# Altium PCB МПСУ.687254.22-01.PcbDoc (part 2 of 2)
Units mm, origin at the board's own origin, x right, y up, seen from the top; angles counter-clockwise.
Board outline 131 x 56 mm, 2 copper layers (Top Layer, Bottom Layer), stack 1.036 mm thick; 215 components, 148 nets, 684 pads, 230 vias.
Unrouted connection lines stored in the file: 4.
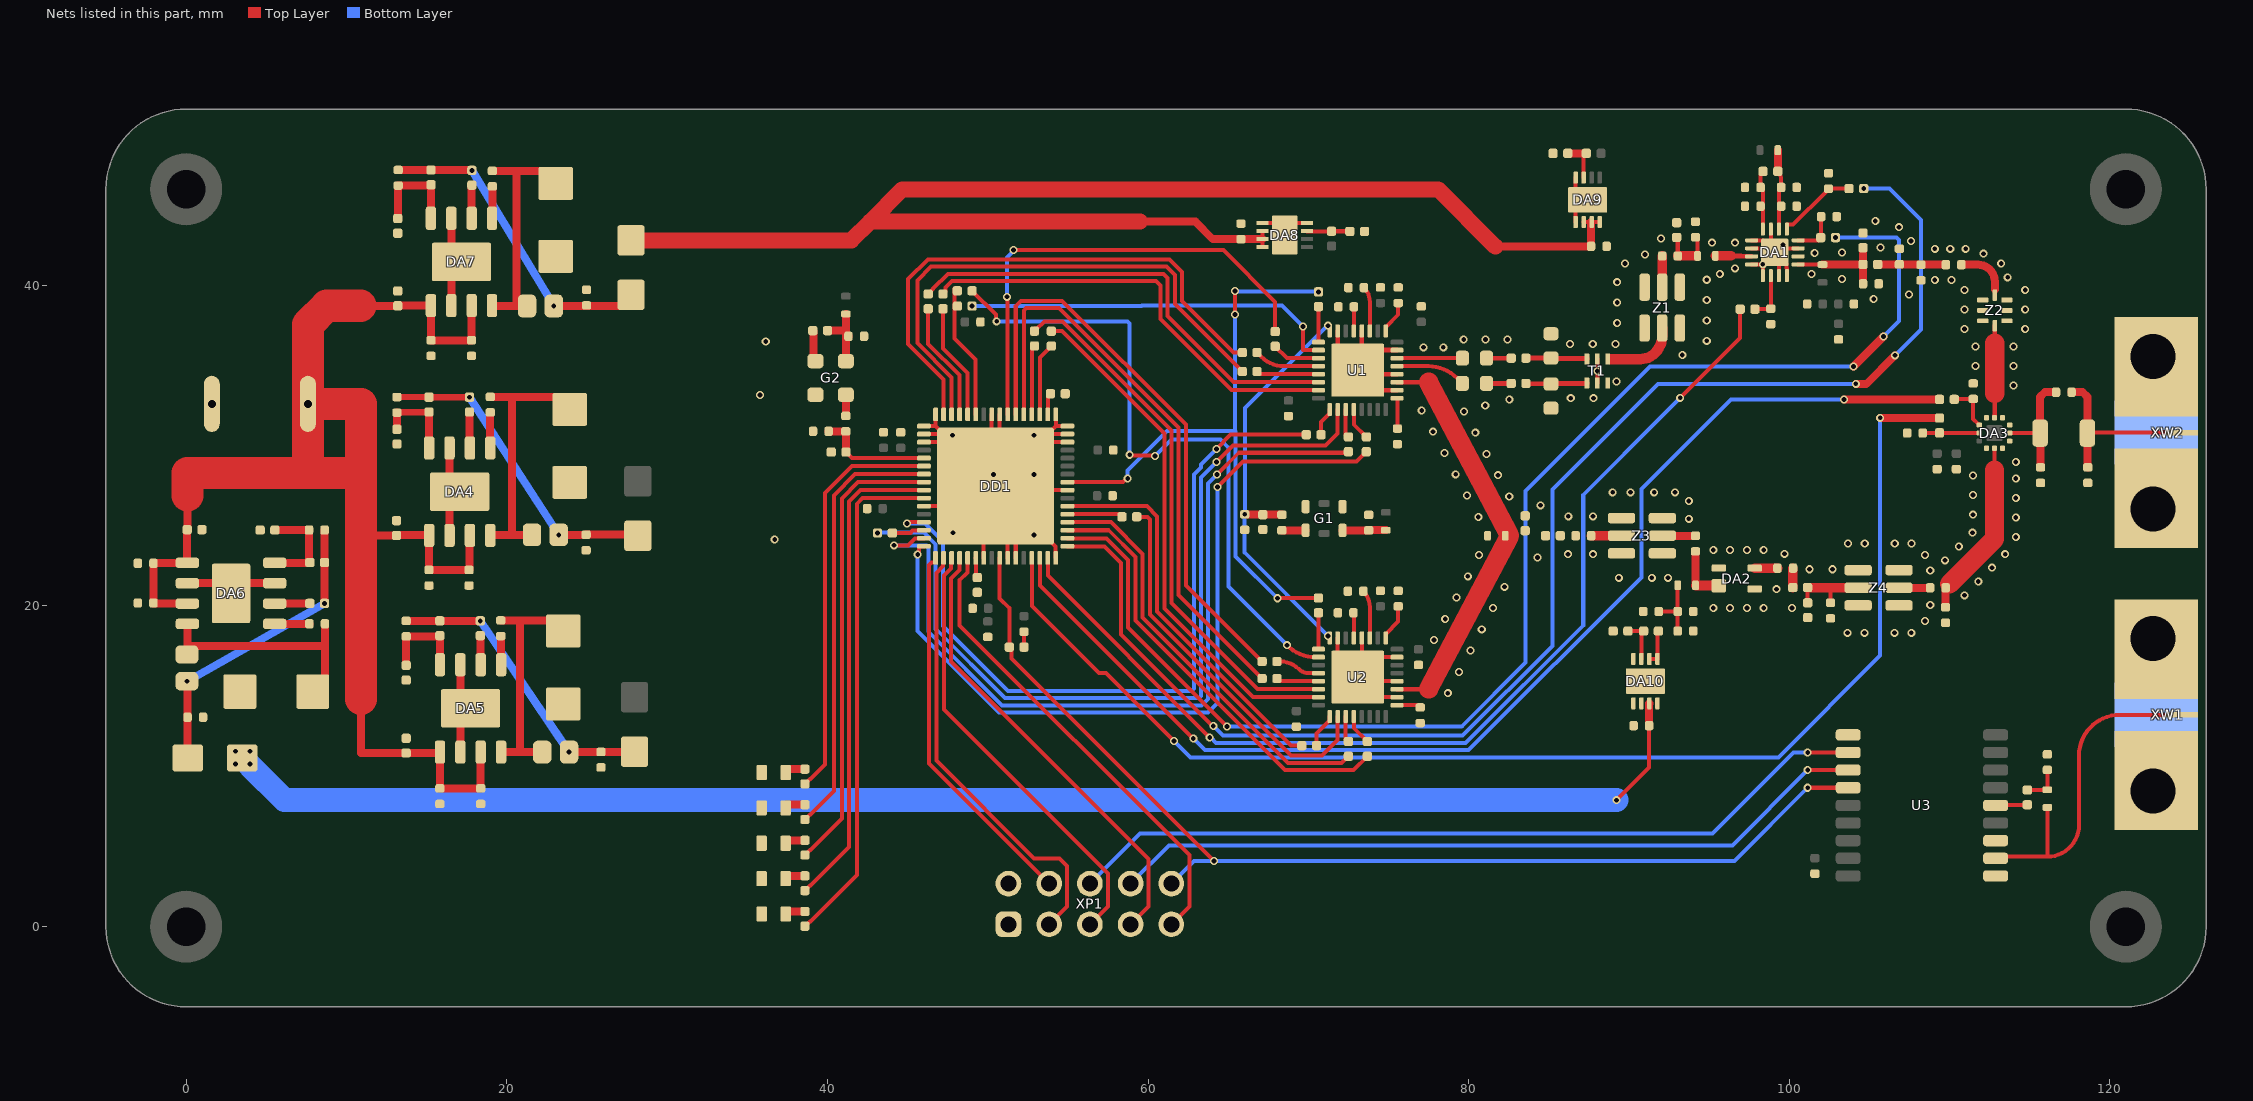
[diagram p2: the nets of this part, all layers, seen from the top]

## Via types
v1: diameter 0.5, hole 0.3, Top Layer to Bottom Layer, tented both sides, 212 vias
v2: diameter 0.6, hole 0.3, Top Layer to Bottom Layer, tented both sides, 18 vias

## Nets (pads, with @x,y where several pads share a name; then routed paths per layer and width w, separated by ;. In a path a pad name is that pad's centre, name@x,y a point inside that pad or via, vN(x,y) a via of type N, cw(c..) or ccw(c..) an arc to the next point about the centre after c; other vN are vias at no path point) (continued)
+4V: C88.1 C89.1 DA8.6 DA8.7 DA8.8 DA9.6 DA9.7 DA9.8 VD13.1 | length 91.1
  Top Layer w0.25: DA8.8@67.14,42.39 67.14,42.88 DA8.7@67.14,42.89 DA8.6@67.14,43.39 ; DA9.6@87.175,43.952 87.635,43.952 DA9.7@87.675,43.952 DA9.8@88.175,43.952
  Top Layer w0.5: 59.5,43.975 62.948,43.975 64.043,42.88 C88.1@65.775,42.88 ; C88.1@65.8,42.88 DA8.7@67.14,42.88 ; 81.675,42.412 87.635,42.412 C89.1@87.635,42.437 DA9.7@87.635,43.952
  Top Layer w1: VD13.1@27.75,42.812 41.5,42.812 42.663,43.975 ; 59.5,43.975 42.663,43.975 ; 81.675,42.412 78.105,45.982 44.67,45.982 42.663,43.975
+5.8V: C90.1 DA10.6 DA10.7 DA10.8 VD12.1 | length 93
  Top Layer w0.25: v1(89.225,7.887) 91.26,9.922 C90.1@91.26,12.512
  Top Layer w0.5: C90.1@91.26,12.537 91.26,13.927 DA10.7@91.275,13.927
  Bottom Layer w1.5: v2@3.975,10.037 6.125,7.887 v1(89.225,7.887)
  other v2: 3.075,10.137 3.975,10.137 3.075,10.937 3.975,10.937
+5V_RFIN: C51.1 C53.1 C55.1 DA10.1 DA10.2 L6.1 R70.1 | length 6.3
  Top Layer w0.25: DA10.2@91.275,16.697 DA10.1@91.775,16.697 91.775,18.437 R70.1@91.835,18.437 ; C53.1@91.86,19.662 C51.1@93.04,19.662 ; C55.1@93.04,18.437 C51.1@93.04,19.662 ; L6.1@93.045,21.287 93.042,21.285 93.042,19.665 C51.1@93.04,19.662
BPF_IN_2: C50.1 Z3.5 | length 2.1
  Top Layer w0.25: Z3.5@92.085,24.384 Z3.5@92.088,24.381 ; C50.1@94.146,24.381 C50.1@94.15,24.377
  Top Layer w0.5: Z3.5@92.088,24.381 C50.1@94.146,24.381
CLK_HS: C48.2 C49.1 DD1.53 R36.1 | length 7.4
  Top Layer w0.25: R36.1@41.16,29.6 41.171,29.6 41.546,29.225 DD1.53@46.025,29.225
  Top Layer w0.5: C49.1@40.075,30.9 40.08,30.895 41.145,30.895 C48.2@41.15,30.89 41.155,30.885 41.155,29.605 R36.1@41.16,29.6
CLKO_A: R40.2 U1.10 | length 23.7
  Top Layer w0.25: v1(69.66,37.442) 69.66,35.959 U1.10@70.635,35.959
  Bottom Layer w0.25: v1(49.026,38.709) 59.587,38.709 59.633,38.756 68.346,38.756 v1(69.66,37.442)
CLKO_B: R41.2 U2.10 | length 41.9
  Top Layer w0.25: R41.2@49.026,39.659 49.03,39.659 50.512,38.178 50.512,37.807 v1(50.56,37.759) ; v1(58.86,29.434) 58.9,29.394 60.4,29.394 v1(60.441,29.353) ; v1(68.666,17.553) ccw(c70.462,19.349) 70.462,16.809 U2.10@70.635,16.809
  Bottom Layer w0.25: v1(50.56,37.759) 58.713,37.759 58.86,37.613 v1(58.86,29.434) ; v1(60.441,29.353) 61.46,30.371 64.51,30.371 65.01,29.872 65.01,21.209 v1(68.666,17.553)
G0: DD1.58 R25.1 | length 32
  Top Layer w0.25: R25.1@38.6,0.027 38.611,0.027 38.916,0.332 38.94,0.332 41.841,3.234 41.841,26.377 42.189,26.725 DD1.58@46.025,26.725
G1: DD1.57 R26.1 | length 30.4
  Top Layer w0.25: R26.1@38.6,2.246 38.611,2.246 38.916,2.551 38.94,2.551 41.35,4.961 41.35,26.522 42.052,27.225 DD1.57@46.025,27.225
G2: DD1.56 R27.1 | length 28.8
  Top Layer w0.25: R27.1@38.6,4.465 38.611,4.465 38.916,4.77 38.94,4.77 40.9,6.73 40.9,26.709 41.916,27.725 DD1.56@46.025,27.725
G3: DD1.55 R29.1 | length 27.1
  Top Layer w0.25: R29.1@38.6,6.684 38.611,6.684 38.916,6.989 38.94,6.989 40.4,8.449 40.4,26.887 41.738,28.225 DD1.55@46.025,28.225
G4: DD1.54 R30.1 | length 25.5
  Top Layer w0.25: R30.1@38.6,8.902 38.611,8.902 38.916,9.207 38.94,9.207 39.85,10.118 39.85,27.037 41.538,28.725 DD1.54@46.025,28.725
GND: C1.1 C2.1 C3.2 C4.2 C5.2 C6.1 C7.2 C8.1 C9.2 C10.2 C11.2 C12.2 C13.1 C14.1 C15.2 C17.2 C20.1 C21.2 C22.1 C23.1 C24.1 C26.2 C27.1 C28.1 C29.1 C30.1 C31.2 C32.2 C33.2 C34.2 C35.2 C36.2 C38.2 C39.2 C40.2 C41.2 C42.2 C43.2 C44.2 C45.2 C46.2 C47.2 C49.2 C51.2 C53.2 C55.2 C56.1 C58.2 C59.2 C60.1 C61.1 C62.1 C63.1 C64.2 C65.1 C67.1 C68.2 C69.2 C70.2 C71.2 C72.2 C73.2 C74.2 C75.2 C84.2 C85.2 C86.2 C87.2 C88.2 C89.2 C90.2 DA1.1 DA1.2 DA1.4 DA1.5 DA1.7 DA1.8 DA1.11 DA1.15 DA1.17 DA2.2 DA2.4 DA3.1 DA3.3 DA3.4 DA3.6 DA3.10 DA3.12 DA4.3 DA4.6 DA4.9 DA5.3 DA5.6 DA5.9 DA6.3 DA6.6 DA6.9 DA7.3 DA7.6 DA7.9 DA8.4 DA8.5 DA8.9 DA9.4 DA9.5 DA9.9 DA10.4 DA10.5 DA10.9 DD1.7 DD1.10 DD1.11 DD1.16 DD1.24 DD1.30 DD1.31 DD1.32 DD1.33 DD1.40 DD1.41 DD1.48 DD1.49 DD1.50 DD1.51 DD1.59 DD1.65 G1.1 G1.3 G2.2 L7.2 R1.2 R20.2 R22.2 R24.1 R28.1 R31.1 R36.2 R42.2 R45.2 R50.2 R51.2 R52.2 R53.2 R58.2 R59.2 R60.2 R61.2 R67.2 R69.2 R71.2 T1.2 T1.5 T1.6 U1.4 U1.7 U1.26 U1.28 U1.31 U1.33 U2.4 U2.7 U2.26 U2.28 U2.31 U2.33 U3.1 U3.10 U3.12 VD1.2 VD2.2 VD3.2 VD4.2 VD5.2 VD6.2 VD7.2 VD8.2 VD9.2 XP1.1 XP1.2 XP2.2 XW1.2 XW2.2 Z1.1 Z1.3 Z1.4 Z1.6 Z2.1 Z2.2 Z2.3 Z2.5 Z2.6 Z2.7 Z3.1 Z3.3 Z3.4 Z3.6 Z4.1 Z4.3 Z4.4 Z4.6 | length 133.3
  Top Layer w0.25: DD1.59@46.025,26.225 49.25,26.225 DD1.65@49.75,26.725 ; DD1.51@46.025,30.225 DD1.65@47.75,30.225 ; DD1.50@46.025,30.725 DD1.65@47.25,30.725 ; DD1.49@46.025,31.225 46.75,31.225 ; DD1.48@46.75,31.95 46.75,31.225 ; DD1.7@49.75,23 DD1.65@49.75,26.725 ; DD1.41@50.25,31.95 DD1.65@50.25,27.725 ; DD1.40@50.75,31.95 50.75,27.725 DD1.65@50.5,27.475 ; DD1.10@51.25,23 DD1.65@51.25,26.725 ; DD1.11@51.75,23 DD1.65@51.75,26.194 ; R24.1@52.265,17.433 C39.2@52.265,18.397 ; DD1.16@54.25,23 54.225,23.025 54.225,23.719 DD1.65@51.75,26.194 ; DD1.33@54.25,31.95 54.25,31.225 ; DD1.24@54.975,27.225 DD1.65@50.75,27.225 ; DD1.30@54.975,30.225 DD1.65@53.25,30.225 ; DD1.31@54.975,30.725 DD1.65@53.75,30.725 ; DD1.32@54.975,31.225 54.25,31.225 ; C88.2@65.8,43.89 C88.2@65.8,43.9 ; DA8.5@67.14,43.89 DA8.9@68.525,43.89 ; DA8.9@68.525,43.14 DA8.9@68.525,43.89 ; DA8.4@69.91,43.89 DA8.9@68.525,43.89 ; U2.7@71.835,18.009 71.835,15.559 U2.33@73.085,15.559 ; U2.4@73.335,18.009 U2.33@73.335,16.809 ; U2.26@75.535,14.309 73.085,14.309 U2.33@73.085,15.309 ; U2.28@75.535,15.309 U2.33@73.085,15.309 ; U2.31@75.535,16.809 U2.33@73.335,16.809 ; DA9.5@86.665,43.952 DA9.5@86.675,43.952 DA9.9@86.675,45.337 ; DA9.4@86.675,46.722 DA9.9@86.675,45.337 ; DA9.9@87.425,45.337 DA9.9@86.675,45.337 ; T1.5@88.028,33.912 T1.2@88.028,35.412 ; DA1.4@97.65,41.312 v1(98.35,41.312) ; DA1.2@97.65,42.312 DA1.17@98.85,42.312 ; DA1.1@97.65,42.812 98.102,42.812 98.127,42.787 98.375,42.787 DA1.17@98.85,42.312 ; DA1.5@98.35,40.612 v1(98.35,41.312) ; DA1.15@98.85,43.512 DA1.17@98.85,42.312 ; DA1.7@99.35,40.612 DA1.17@99.35,41.812 ; DA1.8@99.85,40.612 99.85,41.064 99.825,41.089 99.825,41.337 DA1.17@99.35,41.812 ; DA1.11@100.55,42.312 99.35,42.312 DA1.17@99.1,42.062 ; 46.75,31.225 DD1.65@47.25,30.725 ; DD1.65@47.25,30.725 DD1.65@47.75,30.225 ; DD1.65@47.75,30.225 DD1.65@50.25,27.725 ; DD1.65@49.75,26.725 DD1.65@50.5,27.475 ; DD1.65@50.25,27.725 DD1.65@50.5,27.475 ; DD1.65@50.5,27.475 DD1.65@50.75,27.225 ; DD1.65@50.5,27.475 DD1.65@53.25,30.225 ; DD1.65@50.75,27.225 DD1.65@51.25,26.725 ; DD1.65@51.25,26.725 51.75,26.225 DD1.65@51.75,26.194 ; DD1.65@53.25,30.225 DD1.65@53.75,30.725 ; DD1.65@53.75,30.725 54.25,31.225 ; U2.33@73.085,15.309 U2.33@73.085,15.559 ; U2.33@73.085,15.559 73.335,15.559 U2.33@73.335,16.809 ; U2.33@73.085,15.559 73.085,16.809 U2.33@73.335,16.809 ; v1(98.35,41.312) DA1.17@99.1,42.062 ; DA1.17@98.85,42.312 DA1.17@99.1,42.062 ; DA1.17@99.1,42.062 DA1.17@99.35,41.812
  Top Layer w0.3: U1.7@71.835,37.159 71.835,35.209 U1.33@73.085,33.959 ; U1.33@71.859,35.935 U1.33@73.085,34.709 ; U1.4@73.335,37.159 U1.33@73.335,35.959 ; U1.26@75.535,33.459 73.085,33.459 U1.33@73.085,34.459 ; U1.28@75.535,34.459 U1.33@73.085,34.459 ; U1.31@75.535,35.959 U1.33@73.335,35.959 ; U1.33@73.085,34.459 U1.33@73.085,34.709 ; U1.33@73.085,34.709 73.085,35.959 U1.33@73.335,35.959 ; U1.33@73.085,34.709 73.335,34.709 U1.33@73.335,35.959
  Top Layer w0.5: DA6.6@0.075,21.422 DA6.9@2.8,21.422 ; DA6.9@2.8,20.787 DA6.9@2.8,21.422 ; DA6.3@5.525,21.422 DA6.9@2.8,21.422 ; R58.2@13.125,30.102 R58.2@13.15,30.102 ; DA4.6@16.431,24.404 16.431,26.494 DA4.9@17.066,27.129 16.431,27.764 DA4.3@16.431,29.854 ; DA7.6@16.54,38.737 DA7.9@16.54,41.462 ; DA7.3@16.54,44.187 DA7.9@16.54,41.462 ; DA5.6@17.105,10.887 DA5.9@17.105,13.612 ; DA5.3@17.105,16.337 DA5.9@17.105,13.612 ; DA7.9@17.175,41.462 DA7.9@16.54,41.462 ; DA5.9@17.74,13.612 DA5.9@17.105,13.612
  other v1: 78.701,14.561 79.407,15.889 80.113,17.216 77.832,17.87 103.643,18.329 104.692,18.329 106.564,18.329 107.613,18.329 80.819,18.544 108.469,19.066 78.538,19.198 81.525,19.872 95.261,19.879 96.31,19.879 97.36,19.879 98.409,19.879 100.163,19.879 108.795,20.054 79.244,20.525 110.933,20.666 99.198,21.047 82.231,21.199 111.795,21.528 89.368,21.758 91.425,21.758 92.441,21.758 79.95,21.853 108.795,22.215 101.255,22.292 102.703,22.292 112.657,22.39 109.713,22.85 84.301,23.019 80.656,23.181 108.469,23.181 86.193,23.231 87.768,23.231 113.473,23.231 99.706,23.257 95.261,23.494 96.31,23.494 97.36,23.494 98.409,23.494 110.576,23.713 103.66,23.892 104.71,23.892 106.581,23.892 107.631,23.892 36.714,24.146 114.133,24.298 111.438,24.575 93.737,25.441 114.133,25.517 80.604,25.559 86.218,25.594 87.768,25.594 111.466,25.695 84.49,26.281 93.737,26.559 114.133,26.737 82.534,26.829 79.898,26.887 111.466,26.914 88.987,27.092 90.105,27.092 91.578,27.092 92.873,27.092 114.133,27.956 111.466,28.134 81.829,28.157 79.192,28.215 114.133,28.975 81.123,29.485 78.486,29.542 80.417,30.812 77.78,30.87 79.711,32.14 77.074,32.198 81.037,32.502 82.535,32.883 86.371,32.96 87.793,32.96 35.799,33.163 113.981,33.747 89.228,34.012 88.028,34.662 111.618,34.966 113.981,34.966 93.33,35.652 77.176,36.135 78.421,36.135 111.618,36.185 113.981,36.185 86.32,36.338 87.742,36.338 89.165,36.338 36.155,36.49 94.854,36.541 79.691,36.617 81.062,36.617 82.434,36.617 110.933,37.278 114.717,37.278 89.266,37.659 94.854,37.811 110.933,38.497 114.717,38.497 89.266,38.929 94.854,39.081 105.267,39.158 107.477,39.438 110.933,39.716 114.717,39.716 89.266,40.199 109.077,40.326 110.12,40.326 94.854,40.351 103.286,40.403 113.625,40.503 95.667,40.707 101.382,40.707 96.607,41.062 89.749,41.367 113.219,41.367 90.994,41.926 112.126,41.977 101.585,42.027 103.286,42.054 109.077,42.281 110.043,42.281 111.009,42.281 105.699,42.359 99.604,42.535 95.185,42.662 96.607,42.662 107.604,42.765 91.999,42.932 106.842,43.629 105.369,44.01
  other v2: 52.89,24.421 47.843,24.564 50.367,28.205 52.89,28.205 47.796,30.653 52.89,30.653
GPS_NSS: DD1.9 R24.2 U3.4 XP1.10 | length 69.1
  Top Layer w0.25: DD1.9@50.75,23 50.75,20.458 51.345,19.863 R24.2@51.345,17.433 51.498,17.28 51.498,16.715 v1(64.125,4.087) ; v1(101.15,8.662) U3.4@103.675,8.662
  Bottom Layer w0.25: XP1.10@61.455,2.682 62.86,4.087 96.575,4.087 v1(101.15,8.662)
GPS_RX: U3.3 XP1.8 | length 47.7
  Top Layer w0.25: v1(101.15,9.762) U3.3@103.675,9.762
  Bottom Layer w0.25: XP1.8@58.915,2.682 61.295,5.062 96.45,5.062 v1(101.15,9.762)
GPS_TX: U3.2 XP1.6 | length 50.7
  Top Layer w0.25: v1(101.15,10.862) U3.2@103.675,10.862
  Bottom Layer w0.25: XP1.6@56.375,2.682 59.505,5.812 95.211,5.812 100.261,10.862 v1(101.15,10.862)
IRXD_A: R38.2 U1.15 | length 28
  Top Layer w0.25: R38.2@47.213,39.459 47.365,39.612 47.365,39.873 47.766,40.274 60.506,40.274 60.777,40.003 60.777,37.892 65.21,33.459 U1.15@70.635,33.459
IRXD_B: R34.1 U2.15 | length 32.5
  Top Layer w0.25: R34.1@53.969,37.141 54.634,37.141 61.016,30.76 61.016,19.839 66.546,14.309 U2.15@70.635,14.309
ITXD_A: DD1.46 R6.1 | length 33.7
  Top Layer w0.25: DD1.46@47.75,31.95 47.75,34.259 45.61,36.399 45.61,40.309 46.474,41.174 61.149,41.174 61.677,40.647 61.677,38.832 R6.1@65.885,34.624
ITXD_B: DD1.37 R10.1 | length 37.1
  Top Layer w0.25: DD1.37@52.25,31.95 52.25,38.441 52.396,38.587 54.461,38.587 61.916,31.132 61.916,20.68 R10.1@67.122,15.474
LNA_A_CTRL: DD1.14 R46.1 | length 74.4
  Top Layer w0.25: DD1.14@53.25,23 53.25,21.287 62.8,11.737 v1(62.825,11.737)
  Top Layer w0.5: v1(103.425,32.887) R46.1@109.375,32.887
  Bottom Layer w0.25: v1(62.825,11.737) 63.554,11.008 80.005,11.008 90.775,21.778 90.775,27.287 96.375,32.887 v1(103.425,32.887)
MISO_A: R37.2 U1.18 | length 52.4
  Top Layer w0.25: v1(64.271,28.983) 65.298,30.009 71.074,30.009 71.835,30.77 U1.18@71.835,32.259
  Bottom Layer w0.25: v1(43.13,24.554) 43.16,24.584 44.712,24.584 44.721,24.575 45.198,24.575 45.207,24.584 46.018,24.584 46.76,23.843 46.76,18.58 51.093,14.247 63.158,14.247 63.304,14.393 63.304,28.016 v1(64.271,28.983)
MISO_B: R33.1 U2.18 | length 24.1
  Top Layer w0.25: R33.1@59.295,25.566 59.96,25.566 60.116,25.41 60.116,19.466 68.91,10.672 70.856,10.672 71.835,11.651 U2.18@71.835,13.109
MOSI_A: DD1.63 R5.1 | length 52
  Top Layer w0.25: v1(44.16,23.784) 45.044,23.784 45.459,24.2 46,24.2 DD1.63@46.025,24.225 ; v1(64.298,28.196) 65.661,29.559 72.435,29.559 R5.1@72.5,29.624
  Bottom Layer w0.25: v1(44.16,23.784) 46.182,23.784 46.31,23.656 46.31,18.394 50.907,13.797 63.344,13.797 63.754,14.207 63.754,27.653 v1(64.298,28.196)
MOSI_B: DD1.20 R9.1 | length 26.2
  Top Layer w0.25: DD1.20@54.975,25.225 57.688,25.225 59.666,23.246 59.666,19.28 68.734,10.212 72.085,10.212 R9.1@72.5,10.627
NetC3_1: C3.1 U1.25 | length 1.9
  Top Layer w0.25: U1.25@75.535,32.959 75.56,32.934 C3.1@75.56,31.069
NetC4_1: C4.1 U2.25 | length 1.5
  Top Layer w0.25: U2.25@75.535,13.809 76.842,13.809 C4.1@76.982,13.669
NetC5_1: C5.1 U1.3 | length 2.8
  Top Layer w0.25: C5.1@73.47,39.859 cw(c72.588,38.978) 73.835,38.978 U1.3@73.835,37.159
NetC7_1: C7.1 U2.3 | length 3
  Top Layer w0.25: C7.1@73.432,20.922 cw(c72.459,19.949) 73.835,19.949 U2.3@73.835,18.009
NetC9_1: C9.1 U1.5 | length 1.5
  Top Layer w0.25: U1.5@72.835,37.159 72.84,37.164 72.84,38.654 C9.1@72.845,38.659
NetC10_1: C10.1 U2.5 | length 1.6
  Top Layer w0.25: C10.1@72.817,19.577 72.835,19.559 U2.5@72.835,18.009
NetC11_1: C11.1 U1.1 | length 2.1
  Top Layer w0.25: U1.1@74.835,37.159 74.835,37.409 75.61,38.184 C11.1@75.61,38.899
NetC12_1: C12.1 U2.1 | length 2.3
  Top Layer w0.25: U2.1@74.835,18.009 74.835,18.259 75.607,19.031 C12.1@75.607,19.977
NetC15_1: C15.1 G1.6 L1.2 | length 2.7
  Top Layer w0.5: G1.6@72.135,24.721 C15.1@73.768,24.72 73.767,24.729 L1.2@74.835,24.729 ; C15.1@73.768,24.72 C15.1@73.783,24.705
NetC16_1: C16.1 G1.4 | length 1.5
  Top Layer w0.5: C16.1@68.35,24.722 G1.4@69.835,24.722
NetC18_1: C18.1 U1.30 | length 4.1
  Top Layer w0.25: U1.30@75.535,35.459 C18.1@79.61,35.459
NetC18_2: C18.2 R15.1 | length 1.7
  Top Layer w0.3: C18.2@81.12,35.459 R15.1@82.655,35.459 R15.1@82.547,35.352
NetC19_1: C19.1 U1.29 | length 4.4
  Top Layer w0.25: U1.29@75.535,34.959 77.482,34.959 cw(c77.482,32.419) 79.278,34.215 C19.1@79.61,33.884
NetC19_2: C19.2 R16.1 | length 1.5
  Top Layer w0.3: C19.2@81.12,33.884 R16.1@82.655,33.884
NetC20_2: C20.2 R15.2 T1.3 | length 3.9
  Top Layer w0.3: R15.2@83.575,35.459 83.581,35.466 85.133,35.466 C20.2@85.14,35.472 C20.2@85.17,35.442 ; C20.2@85.14,35.412 C20.2@85.17,35.442 ; T1.3@87.378,35.412 87.378,35.442 C20.2@85.17,35.442
NetC21_1: C21.1 R16.2 T1.4 | length 3.9
  Top Layer w0.3: R16.2@83.575,33.884 83.591,33.868 85.036,33.868 85.08,33.912 C21.1@85.14,33.852 85.17,33.882 87.378,33.882 T1.4@87.378,33.912
NetC25_1: C25.1 Z1.5 | length 2
  Top Layer w0.6: Z1.5@92.075,39.887 C25.1@92.075,41.837
NetC25_2: C25.2 C26.1 L2.1 R20.1 | length 3.5
  Top Layer w0.25: R20.1@92.975,42.992 93.045,42.922 C25.2@93.045,41.837 ; C26.1@94.15,43.002 94.278,42.875 L2.1@94.278,41.84
  Top Layer w0.6: C25.2@93.045,41.838 L2.1@94.188,41.838
NetC31_1: C31.1 DA1.9 DA1.10 L4.2 R22.1 R23.1 | length 6.3
  Top Layer w0.25: DA1.9@100.55,41.312 102.06,41.312 L4.2@102.075,41.297 L4.2@102.08,41.292
  Top Layer w0.5: L4.2@102.075,41.297 102.08,41.302 104.594,41.302 R23.1@104.598,41.307 ; R22.1@104.598,42.347 R23.1@104.598,41.307 ; C31.1@104.604,40.098 104.601,40.101 104.601,41.304 R23.1@104.598,41.307
NetC33_1: C33.1 C34.1 C37.1 R23.2 | length 4.3
  Top Layer w0.5: R23.2@105.518,41.307 109.75,41.307 109.765,41.292 C37.1@109.765,41.287
NetC37_2: C37.2 Z2.8 | length 3.2
  Top Layer w0.5: C37.2@110.735,41.287 111.781,41.287 cw(c111.781,40.243) 112.825,40.243 112.825,39.737
NetC46_1: C46.1 G2.4 L5.2 R32.1 | length 4.2
  Top Layer w0.5: R32.1@40.01,37.175 41.165,37.175 41.158,37.182 ; G2.4@41.15,35.275 41.158,35.282 C46.1@41.158,36.825 ; L5.2@41.15,38.22 41.158,38.212 41.158,37.182 ; C46.1@41.315,36.825 41.315,36.85 41.158,37.007 41.158,37.182
NetC48_1: C48.1 G2.3 | length 1.3
  Top Layer w0.5: C48.1@41.15,31.86 G2.3@41.15,33.175
NetC50_2: C50.2 DA2.1 L6.2 | length 3.6
  Top Layer w0.25: C50.2@94.15,23.407 C50.2@94.152,23.405 ; L6.2@94.152,21.29 L6.2@94.155,21.287 L6.2@94.167,21.275 ; DA2.1@95.592,21.275 DA2.1@95.605,21.262
  Top Layer w0.5: L6.2@94.152,21.29 C50.2@94.152,23.405
  Top Layer w0.6: L6.2@94.167,21.275 DA2.1@95.592,21.275
NetC52_1: C52.1 R43.1
NetC52_2: C52.2 Z3.2 | length 1.9
  Top Layer w0.6: C52.2@87.645,24.384 Z3.2@89.535,24.384
NetC54_1: C54.1 DA2.3 | length 1.4
  Top Layer w0.6: DA2.3@97.845,22.362 C54.1@99.265,22.362
NetC54_2: C54.2 R44.2 | length 1.2
  Top Layer w0.25: R44.2@100.225,21.147 R44.2@100.23,21.152 ; C54.2@100.23,22.357 C54.2@100.235,22.362
  Top Layer w0.6: R44.2@100.23,21.152 C54.2@100.23,22.357
NetC56_2: C56.2 R44.1 R45.1 Z4.2 | length 5.1
  Top Layer w0.25: R44.1@101.145,21.147 R44.1@101.147,21.145 ; R45.1@101.15,20.197 101.147,20.2 R44.1@101.147,21.145 ; R44.1@101.15,21.142 R44.1@101.147,21.145 ; 102.521,21.142 102.575,21.088 C56.2@102.575,20.197 ; Z4.2@104.295,21.142 Z4.2@104.3,21.137
  Top Layer w0.6: R44.1@101.15,21.142 102.521,21.142 Z4.2@104.295,21.142
NetC57_1: C57.1 Z4.5 | length 1.9
  Top Layer w0.5: Z4.5@106.85,21.137 C57.1@108.785,21.137
NetC59_1: C59.1 L8.1 R48.1 | length 2.5
  Top Layer w0.25: R48.1@114.85,8.522 114.86,8.532 116.09,8.532 L8.1@116.1,8.542 C59.1@116.1,9.777
NetC65_2: C65.2 C66.2 DA3.2 R49.1 | length 7.4
  Top Layer w0.25: DA3.2@113.75,30.787 R49.1@115.65,30.787
  Top Layer w0.5: C65.2@115.675,28.647 115.662,28.66 115.662,30.775 R49.1@115.65,30.787 115.65,33.045 115.943,33.337 C66.2@116.64,33.337
NetC66_1: C66.1 C67.2 R49.2 XW2.1 | length 11.4
  Top Layer w0.25: R49.2@118.625,30.812 XW2.1@124.498,30.812
  Top Layer w0.5: C66.1@117.61,33.337 118.307,33.337 118.6,33.045 R49.2@118.6,30.787 ; R49.2@118.613,30.775 118.613,28.66 C67.2@118.625,28.647
NetC76_1: C76.1 DA4.1 | length 2.2
  Top Layer w0.25: DA4.1@18.955,29.887 DA4.1@18.965,29.897 ; C76.1@18.965,32.067 C76.1@18.975,32.077
  Top Layer w0.5: DA4.1@18.955,29.887 18.955,32.062 18.97,32.077 C76.1@18.975,32.077
NetC76_2: C76.2 DA4.8 L9.1 VD6.1 | length 16.2
  Top Layer w0.5: DA4.8@18.955,24.437 20.34,24.437 ; C76.2@18.975,33.047 20.34,33.047 ; L9.1@21.275,24.437 20.34,24.437 ; VD6.1@23.925,32.262 23.875,32.262 23.09,33.047 20.34,33.047 ; 20.34,24.437 20.34,33.047
NetC77_1: C77.1 DA5.1 | length 1.8
  Top Layer w0.5: C77.1@19.625,18.127 19.645,18.127 DA5.1@19.645,16.337
NetC77_2: C77.2 DA5.8 L10.1 VD7.1 | length 16.7
  Top Layer w0.5: C77.2@19.625,19.097 20.825,19.097 ; DA5.8@19.645,10.887 20.825,10.887 ; VD7.1@23.525,18.437 23.525,19.097 20.825,19.097 ; 20.825,10.887 L10.1@22.215,10.887 20.825,10.887 ; 20.825,10.887 20.825,19.097
NetC78_1: C78.1 DA6.1 | length 2.2
  Top Layer w0.5: DA6.1@5.525,18.882 7.69,18.882 C78.1@7.69,18.887
NetC78_2: C78.2 DA6.8 L11.1 VD8.1 | length 16.9
  Top Layer w0.5: DA6.8@0.075,18.882 L11.1@0.075,17.512 ; VD8.1@8.05,14.162 8.66,14.162 8.66,17.512 ; C78.2@8.66,18.887 8.66,17.512 ; L11.1@0.075,17.512 0.075,16.722 L11.1@0.075,17.512 ; L11.1@0.075,17.512 8.66,17.512
NetC79_1: C79.1 DA7.1 | length 2
  Top Layer w0.5: DA7.1@19.08,44.187 19.1,44.187 C79.1@19.1,46.177
NetC79_2: C79.2 DA7.8 L12.1 VD9.1 | length 15.4
  Top Layer w0.5: DA7.8@19.08,38.737 19.08,38.712 20.6,38.712 ; C79.2@19.1,47.147 20.6,47.147 ; L12.1@21.265,38.712 20.6,38.712 ; VD9.1@23.05,46.362 23.05,47.147 20.6,47.147 ; 20.6,38.712 20.6,47.147
NetC80_1: C80.1 C84.1 L9.2 R54.2 R62.1 VD10.2 | length 18.9
  Top Layer w0.381: C80.1@13.15,33.032 13.155,33.027 15.145,33.027 R62.1@15.15,33.022 v1(17.675,33.022) ; VD10.2@27.335,24.447 VD10.2@27.35,24.462
  Top Layer w0.5: v1(23.245,24.437) 23.25,24.442 24.945,24.442 C84.1@24.95,24.447 27.335,24.447 27.35,24.447 VD10.2@27.35,24.462
  Bottom Layer w0.5: v1(17.675,33.022) v1(23.245,24.437)
NetC80_2: C80.2 DA4.4 R58.1 R62.2 | length 5.3
  Top Layer w0.381: C80.2@13.15,32.062 13.17,32.082 15.13,32.082 R62.2@15.15,32.102 ; DA4.4@15.145,29.887 DA4.4@15.147,29.89
  Top Layer w0.5: R58.1@13.15,31.022 C80.2@13.15,32.062 ; R62.2@15.13,32.082 15.147,32.065 DA4.4@15.147,29.89
NetC81_1: C81.1 C85.1 L10.2 R55.2 R63.1 VD11.2 | length 18.6
  Top Layer w0.5: C81.1@13.725,19.072 R63.1@15.825,19.072 v1(18.35,19.072) ; v1(23.885,10.887) 23.885,10.897 C85.1@25.875,10.897 27.975,10.897 VD11.2@27.975,10.912
  Bottom Layer w0.5: v1(18.35,19.072) v1(23.885,10.887)
NetC81_2: C81.2 DA5.4 R59.1 R63.2 | length 5.8
  Top Layer w0.5: R59.1@13.725,16.297 C81.2@13.725,18.102 15.825,18.102 R63.2@15.825,18.152 15.835,18.152 DA5.4@15.835,16.337
NetC82_1: C82.1 C86.1 L11.2 R56.2 R64.1 VD12.2 | length 19
  Top Layer w0.5: L11.2@0.05,15.052 0.07,15.032 0.07,13.077 C86.1@0.085,13.062 0.085,10.762 VD12.2@0.1,10.762 ; v1(0.05,15.302) 0.075,15.277 L11.2@0.075,15.052 ; v1(8.635,20.162) R64.1@8.635,22.712 C82.1@8.635,24.737
  Bottom Layer w0.5: v1(0.05,15.302) v1(8.635,20.162)
NetC82_2: C82.2 DA6.4 R60.1 R64.2 | length 6.4
  Top Layer w0.5: DA6.4@5.525,22.692 7.715,22.692 R64.2@7.715,22.712 7.665,22.712 C82.2@7.665,24.737 R60.1@5.535,24.737
NetC83_1: C83.1 C87.1 L12.2 R57.2 R65.1 VD13.2 | length 20.5
  Top Layer w0.5: C83.1@13.225,47.197 R65.1@15.275,47.197 17.825,47.197 v1(17.825,47.172) ; v1(22.935,38.712) 22.935,38.727 28.25,38.727 VD13.2@28.25,39.412
  Bottom Layer w0.5: v1(17.825,47.172) v1(22.935,38.712)
NetC83_2: C83.2 DA7.4 R61.1 R65.2 | length 6.3
  Top Layer w0.5: R61.1@13.2,44.172 13.225,44.172 C83.2@13.225,46.227 R65.2@15.27,46.227 ; DA7.4@15.27,44.187 R65.2@15.27,46.227 ; R65.2@15.27,46.227 15.27,46.277 R65.2@15.275,46.277 15.275,46.227 R65.2@15.27,46.227
NetDA1_3: DA1.3 L2.2 | length 2.5
  Top Layer w0.25: DA1.3@97.375,41.812 DA1.3@97.65,41.812
  Top Layer w0.3: 96.373,41.84 96.959,41.84 cw(c96.959,41.746) 97.025,41.812 DA1.3@97.65,41.812
  Top Layer w0.6: L2.2@95.388,41.84 96.373,41.84
NetDA4_2: DA4.2 R54.1 | length 2.2
  Top Layer w0.381: R54.1@17.675,32.102 R54.1@17.68,32.097 ; DA4.2@17.68,29.892 DA4.2@17.685,29.887
  Top Layer w0.5: DA4.2@17.68,29.892 R54.1@17.68,32.097
NetDA5_2: DA5.2 R55.1 | length 1.8
  Top Layer w0.5: R55.1@18.35,18.152 18.35,16.337 DA5.2@18.375,16.337
NetDA6_2: DA6.2 R56.1 | length 2.2
  Top Layer w0.5: DA6.2@5.525,20.152 5.525,20.162 R56.1@7.715,20.162
NetDA7_2: DA7.2 R57.1 | length 2.1
  Top Layer w0.5: DA7.2@17.81,44.187 17.81,46.252 R57.1@17.825,46.252
NetDA8_3: DA8.3 R66.2 R67.1 | length 2.7
  Top Layer w0.25: DA8.3@69.91,43.39 69.91,43.375 R66.2@71.45,43.375
  Top Layer w0.3: R66.2@71.45,43.375 71.455,43.37 72.585,43.37 R67.1@72.59,43.365
NetDA9_3: DA9.3 R68.2 R69.1 | length 2.7
  Top Layer w0.25: DA9.3@87.175,46.722 87.175,48.237 R68.2@87.29,48.237
  Top Layer w0.5: R69.1@86.185,48.237 R68.2@87.175,48.237 ; R68.2@87.29,48.237 R68.2@87.34,48.237
NetDA10_3: DA10.3 R70.2 R71.1 | length 2.7
  Top Layer w0.25: R71.1@89.935,18.437 R70.2@90.775,18.437 ; DA10.3@90.775,16.697 R70.2@90.775,18.437 ; R70.2@90.915,18.437 R70.2@90.775,18.437
NetDD1_6: DD1.6 R28.2 | length 1.3
  Top Layer w0.25: DD1.6@49.25,23 49.275,22.975 49.275,21.847 R28.2@49.35,21.772
NetDD1_21: DD1.21 R33.2 | length 3.5
  Top Layer w0.25: DD1.21@54.975,25.725 58.205,25.725 58.364,25.566 R33.2@58.375,25.566
NetDD1_34: DD1.34 R31.2 | length 1.4
  Top Layer w0.25: DD1.34@53.75,31.95 53.75,33.077 R31.2@53.915,33.242
NetDD1_35: DD1.35 R34.2 | length 4.6
  Top Layer w0.25: DD1.35@53.25,31.95 53.25,35.502 R34.2@53.969,36.221
NetDD1_36: DD1.36 R35.2 | length 4.3
  Top Layer w0.25: DD1.36@52.75,31.95 52.75,36.044 52.919,36.213 R35.2@52.919,36.224
NetDD1_43: DD1.43 R40.1 R41.1 | length 8.4
  Top Layer w0.25: R41.1@47.938,39.804 47.938,36.683 49.25,35.371 DD1.43@49.25,31.95
NetDD1_44: DD1.44 R38.1 | length 7.2
  Top Layer w0.25: R38.1@47.213,38.539 47.213,36.069 48.75,34.532 DD1.44@48.75,31.95
NetDD1_45: DD1.45 R39.1 | length 7.4
  Top Layer w0.25: R39.1@46.288,38.539 46.288,36.358 48.25,34.395 DD1.45@48.25,31.95
NetDD1_62: DD1.62 R37.1 | length 2
  Top Layer w0.25: R37.1@44.05,24.554 45.177,24.554 45.323,24.7 46,24.7 DD1.62@46.01,24.709
NetG2_1: G2.1 R32.2 | length 2
  Top Layer w0.5: R32.2@39.09,37.175 39.13,37.135 39.13,35.395 G2.1@39.25,35.275
NetL8_2: L8.2 U3.11 XW1.1 | length 21.6
  Top Layer w0.25: U3.11@112.875,4.287 112.95,4.362 116.1,4.362 ccw(c116.1,6.337) 118.075,6.337 118.075,10.672 cw(c120.615,10.672) 120.615,13.212 XW1.1@124.498,13.212 ; 116.1,4.374 L8.2@116.1,7.432
NetR2_2: R2.2 U1.9 | length 2.2
  Top Layer w0.25: U1.9@70.635,36.459 R2.2@70.635,38.674
NetR3_2: R3.2 U1.11 | length 3
  Top Layer w0.25: R3.2@67.935,36.199 68.675,35.459 U1.11@70.635,35.459
NetR4_2: R4.2 U1.17 | length 1.8
  Top Layer w0.25: R4.2@70.795,30.684 70.795,31.469 71.335,32.009 U1.17@71.335,32.259
NetR5_2: R5.2 U1.19 | length 1.8
  Top Layer w0.25: U1.19@72.335,32.259 72.335,30.709 R5.2@72.5,30.544
NetR6_2: R6.2 U1.13 | length 3.9
  Top Layer w0.25: R6.2@66.805,34.624 66.815,34.624 66.98,34.459 U1.13@70.635,34.459
NetR7_2: R7.2 U2.9 | length 2.3
  Top Layer w0.25: R7.2@70.632,19.577 70.635,19.577 U2.9@70.635,17.309
NetR8_2: R8.2 U2.17 | length 2.2
  Top Layer w0.25: R8.2@70.517,11.287 70.517,12.041 71.335,12.859 U2.17@71.335,13.109
NetR9_2: R9.2 U2.19 | length 1.6
  Top Layer w0.25: U2.19@72.335,13.109 72.335,11.712 R9.2@72.5,11.547
NetR10_2: R10.2 U2.13 | length 2.7
  Top Layer w0.25: R10.2@68.042,15.474 68.207,15.309 U2.13@70.635,15.309
NetR11_2: R11.2 U2.20 | length 1.9
  Top Layer w0.25: U2.20@72.835,13.109 72.835,12.394 R11.2@73.682,11.547
NetR12_2: R12.2 U1.20 | length 2
  Top Layer w0.25: U1.20@72.835,32.259 72.835,31.329 R12.2@73.62,30.544
NetR13_2: R13.2 U1.12 | length 4.1
  Top Layer w0.25: R13.2@66.805,35.809 67.068,35.546 ccw(c68.485,36.963) 68.485,34.959 U1.12@70.635,34.959
NetR14_2: R14.2 U2.12 | length 2.8
  Top Layer w0.25: R14.2@68.042,16.537 68.26,16.537 cw(c68.26,14.916) 69.407,16.062 ccw(c70.017,16.673) 70.017,15.809 U2.12@70.635,15.809
NetR25_2: R25.2 VD1.1 | length 1.3
  Top Layer w0.5: VD1.1@37.4,0.787 37.4,0.872 37.475,0.947 R25.2@38.6,0.947
NetR26_2: R26.2 VD2.1 | length 1.3
  Top Layer w0.5: VD2.1@37.4,2.994 37.4,3.091 37.475,3.166 R26.2@38.6,3.166
NetR27_2: R27.2 VD3.1 | length 1.3
  Top Layer w0.5: VD3.1@37.4,5.2 37.4,5.31 37.475,5.385 R27.2@38.6,5.385
NetR29_2: R29.2 VD4.1 | length 1.4
  Top Layer w0.5: VD4.1@37.4,7.406 37.4,7.529 37.475,7.604 R29.2@38.6,7.604
NetR30_2: R30.2 VD5.1 | length 1.4
  Top Layer w0.5: VD5.1@37.4,9.612 37.4,9.747 37.475,9.822 R30.2@38.6,9.822
NetR48_2: R48.2 U3.14 | length 2
  Top Layer w0.25: U3.14@112.875,7.587 112.883,7.595 114.842,7.595 R48.2@114.85,7.602
NSS_A: DD1.64 R12.1 | length 50.4
  Top Layer w0.25: v1@45.682,23.257 v1(45.635,23.209) 45.635,23.277 45.725,23.368 45.725,23.7 45.75,23.725 DD1.64@46.025,23.725 ; v1(64.329,27.415) 65.924,29.009 73.005,29.009 R12.1@73.62,29.624
  Bottom Layer w0.25: v1(45.635,23.209) 45.635,18.432 50.72,13.347 63.733,13.347 64.329,13.943 v1(64.329,27.415)
NSS_B: DD1.19 R11.1 | length 27.6
  Top Layer w0.25: DD1.19@54.975,24.725 57.551,24.725 59.216,23.06 59.216,19.094 68.547,9.762 72.817,9.762 R11.1@73.682,10.627
PA_A_CTRL: DD1.15 R19.1 | length 65.6
  Top Layer w0.25: DD1.15@53.75,23 53.75,21.887 v1(63.85,11.787) ; v1(93.2,32.987) 96.94,36.727 R19.1@96.94,38.512
  Bottom Layer w0.25: v1(63.85,11.787) 63.918,11.787 64.247,11.458 79.819,11.458 87.15,18.79 87.15,26.937 92.175,31.962 v1(93.2,32.987)
PA_G0: DD1.18 R17.1 | length 85
  Top Layer w0.25: DD1.18@54.975,24.225 57.415,24.225 58.766,22.873 58.766,18.646 v1(64.929,12.483) ; v1(104,34.937) v1@104.01,34.948
  Top Layer w0.5: v1@104.01,34.948 v1(105.875,36.812)
  Bottom Layer w0.25: v1(64.929,12.483) 79.571,12.483 83.55,16.462 83.55,27.187 91.3,34.937 v1(104,34.937) ; v1(102.885,42.977) 106.695,42.977 106.842,42.831 106.842,37.779 v1(105.875,36.812)
PA_G1: DD1.17 R18.1 | length 88.2
  Top Layer w0.25: DD1.17@54.975,23.725 57.278,23.725 58.316,22.687 58.316,18.221 64.025,12.512 v1(64.075,12.512) ; v1(104.15,33.862) v1@104.175,33.837
  Top Layer w0.5: v1@104.175,33.837 104.8,33.837 v1(106.6,35.637)
  Bottom Layer w0.25: v1(64.075,12.512) 64.679,11.908 79.632,11.908 85.225,17.501 85.225,27.262 91.825,33.862 v1(104.15,33.862) ; v1(104.645,46.037) 106.262,46.037 108.213,44.086 108.213,37.251 v1(106.6,35.637)
PWR_MAIN: C68.1 C69.1 C70.1 C71.1 C72.1 C73.1 C74.1 C75.1 DA4.5 DA4.7 DA5.5 DA5.7 DA6.5 DA6.7 DA7.5 DA7.7 R50.1 R51.1 R52.1 R53.1 XP2.1 | length 95.8
  Top Layer w0.3: DA4.5@15.147,24.4 15.151,24.404 DA4.5@15.161,24.404
  Top Layer w0.381: R50.1@13.125,24.402 R50.1@13.142,24.42 ; DA4.5@15.145,24.437 15.127,24.42 DA4.5@15.147,24.4 ; C68.1@15.147,22.25 C68.1@15.15,22.247 ; C72.1@17.65,22.247 C72.1@17.667,22.265 ; DA4.7@17.667,24.42 DA4.7@17.685,24.437
  Top Layer w0.5: C70.1@-2.04,20.162 0.075,20.162 DA6.7@0.075,20.152 ; C70.1@-2.04,20.187 C74.1@-2.04,22.662 -2.025,22.677 0.05,22.677 DA6.5@0.065,22.692 ; DA6.5@0.075,22.692 DA6.5@0.065,22.692 ; 0.075,26.887 0.075,24.762 R52.1@0.065,24.762 DA6.5@0.065,22.692 ; 10.89,38.727 R53.1@13.2,38.727 13.205,38.732 DA7.5@15.27,38.732 ; 10.9,14.187 10.9,10.827 R51.1@13.725,10.827 DA5.5@15.835,10.827 ; 10.9,24.335 10.9,24.402 R50.1@13.125,24.402 ; R50.1@13.142,24.42 DA4.5@15.127,24.42 ; DA4.5@15.145,24.437 15.147,24.435 15.147,24.4 C68.1@15.147,22.25 ; C68.1@15.15,22.247 C72.1@17.65,22.247 17.652,22.247 17.667,22.262 17.667,22.265 DA4.7@17.667,24.42 ; DA7.5@15.27,38.727 DA7.5@15.27,38.732 ; C73.1@15.825,8.622 C73.1@15.835,8.622 ; DA5.5@15.835,10.887 DA5.5@15.835,10.827 ; DA7.7@17.81,38.737 17.8,38.737 C71.1@17.8,36.572 C75.1@15.275,36.572 DA7.5@15.275,38.737 ; DA5.7@18.375,10.887 C69.1@18.375,8.622 C73.1@15.835,8.622 ; DA7.5@15.27,38.732 DA7.5@15.27,38.737 DA7.5@15.275,38.737 ; DA7.5@15.27,38.732 DA7.5@15.275,38.737 ; C73.1@15.835,8.622 DA5.5@15.835,10.827
  Top Layer w2: 0.075,26.887 0.075,28.287 7.6,28.287 ; 10.89,38.727 8.772,38.727 7.6,37.556 XP2.1@7.6,32.612 ; 10.9,14.187 10.9,24.335 ; 10.9,24.402 10.9,28.287 ; 7.6,28.287 10.9,28.287 ; 7.6,28.287 XP2.1@7.6,32.612 ; XP2.1@7.6,32.612 10.9,32.612 10.9,28.287
QRXD_A: R39.2 U1.14 | length 29.1
  Top Layer w0.25: R39.2@46.288,39.459 46.288,39.47 46.598,39.78 46.598,39.799 47.523,40.724 60.956,40.724 61.227,40.453 61.227,38.079 65.346,33.959 U1.14@70.635,33.959
QRXD_B: R35.1 U2.14 | length 33.9
  Top Layer w0.25: R35.1@52.919,37.144 R35.1@52.94,37.166 ; R35.1@52.94,37.309 R35.1@52.94,37.166 ; U2.14@70.635,14.809 66.832,14.809 61.466,20.175 61.466,30.31 61.466,30.946 54.656,37.756 53.531,37.756 53.012,37.237 R35.1@52.94,37.166
QTXD_A: DD1.47 R13.1 | length 34.2
  Top Layer w0.25: DD1.47@47.25,31.95 47.25,34.122 45.035,36.338 45.035,40.384 46.274,41.624 61.336,41.624 62.127,40.833 62.127,39.019 65.336,35.809 R13.1@65.885,35.809
QTXD_B: DD1.38 R14.1 | length 37.5
  Top Layer w0.25: DD1.38@51.75,31.95 51.75,38.712 52.075,39.037 54.011,39.037 54.648,39.037 62.366,31.319 62.366,21.293 R14.1@67.122,16.537
RADIO_A_EN: DD1.13 R47.1 | length 81
  Top Layer w0.25: DD1.13@52.75,23 52.75,20.012 56.939,15.824 57.389,15.824 v1(61.625,11.587)
  Top Layer w0.5: v1(105.675,31.737) 105.69,31.722 R47.1@109.375,31.722
  Bottom Layer w0.25: v1(61.625,11.587) 62.654,10.558 99.321,10.558 105.675,16.912 v1(105.675,31.737)
RADIO_RST: DD1.25 R2.1 R7.1 | length 40.1
  Top Layer w0.25: DD1.25@54.975,27.725 54.98,27.73 58.437,27.73 58.667,27.959 v1(58.735,27.959) ; v1(65.421,38.181) v1(65.421,39.656) ; v1(68.073,20.483) 68.087,20.497 R7.1@70.632,20.497
  Bottom Layer w0.25: v1(58.735,27.959) 58.735,28.459 61.188,30.913 65.421,30.913 ; v1(65.421,38.181) 65.421,30.913 ; v1(65.421,39.656) 65.451,39.625 70.604,39.625 v1(70.635,39.594) ; v1(68.073,20.483) 65.46,23.096 65.46,30.874 65.421,30.913
RF_CLK: C16.2 C17.1 R1.1 U1.8 U2.8 | length 26
  Top Layer w0.5: C17.1@66.047,25.707 67.152,25.707 R1.1@67.164,25.694 67.162,25.692 C16.2@68.35,25.692
  Bottom Layer w0.25: v1(71.232,18.137) 66.035,23.334 v1(66.035,25.719) 66.06,25.744 66.06,32.359 71.185,37.484 v1(71.235,37.484)
RF_IN: L7.1 R42.1 R43.2 U1.27 U2.27 | length 25.4
  Top Layer w0.3: U2.27@75.535,14.809 U2.27@75.86,14.809 ; U1.27@75.535,33.959 75.86,33.959 cw(c75.86,33.534) 75.862,33.959 77.506,33.95 ; U2.27@75.862,14.809 77.506,14.819
  Top Layer w1.2: 77.506,14.819 82.501,24.273 ; 77.506,33.95 82.501,24.496 82.556,24.392
RF_OUT: T1.1 Z1.2 | length 4.8
  Top Layer w0.25: Z1.2@92.075,36.956 Z1.2@92.075,37.282
  Top Layer w0.65: 88.884,35.399 90.707,35.399 ccw(c90.707,36.7) 91.627,35.78 ccw(c90.546,36.861) 92.075,36.861 92.075,36.956 Z1.2@92.075,37.337
RFPA_G8: C22.2 DA1.12 R17.2 | length 2.8
  Top Layer w0.25: DA1.12@100.55,42.812 101.8,42.812 R17.2@101.965,42.977 101.978,42.99 101.978,44.275 C22.2@101.99,44.287
RFPA_G16: C23.2 DA1.13 R18.2 | length 5.1
  Top Layer w0.25: DA1.13@99.85,43.512 99.85,43.787 100.247,43.787 102.29,45.83 102.29,45.888 C23.2@102.429,46.027 ; C23.2@102.45,46.027 C23.2@102.429,46.027 ; R18.2@103.725,46.037 103.72,46.032 102.434,46.032 C23.2@102.429,46.027
RFPA_VB: C28.2 C30.2 DA1.16 R21.2 | length 3.7
  Top Layer w0.25: DA1.16@98.35,43.512 98.35,45.972 C28.2@98.21,46.112 98.21,46.738 cw(c98.739,46.738) R21.2@98.365,47.112
RFPA_VPD: C24.2 DA1.6 R19.2 | length 3.1
  Top Layer w0.25: R19.2@97.86,38.512 97.877,38.53 98.832,38.53 C24.2@98.85,38.547 DA1.6@98.85,40.612
RFPA_VСС1: C27.2 C29.2 DA1.14 L3.2 R21.1 | length 5
  Top Layer w0.25: R21.1@99.285,47.112 cw(c98.79,46.617) 99.49,46.617 C27.2@99.49,46.112 99.35,45.972 DA1.14@99.35,43.512
  Top Layer w0.5: R21.1@99.285,47.112 L3.2@99.285,48.437
RFSW_CTRL: C60.2 DA3.7 R46.2 | length 3
  Top Layer w0.25: R46.2@110.295,32.887 110.307,32.9 111.462,32.9 C60.2@111.475,32.912 111.475,31.662 111.8,31.337 111.8,31.312 111.825,31.287 DA3.7@111.85,31.287
RFSW_EN: C61.2 DA3.8 R47.2 | length 3.5
  Top Layer w0.25: C61.2@108.325,30.787 108.333,30.795 109.367,30.795 R47.2@109.375,30.802 109.383,30.795 111.843,30.795 DA3.8@111.85,30.787
RFSW_IN: C57.2 C58.1 DA3.11 | length 10.8
  Top Layer w0.25: 112.8,28.487 DA3.11@112.8,29.837
  Top Layer w0.5: C58.1@109.75,19.922 109.753,19.925 C57.2@109.753,21.135
  Top Layer w1.2: 109.994,21.376 112.8,24.182 112.8,28.487
RFSW_OUT: DA3.5 Z2.4 | length 5.8
  Top Layer w0.3: DA3.5@112.8,31.737 112.8,31.762 112.8,31.837 cw(c113.225,31.837) 112.815,31.949 ccw(c112.525,32.026) 112.825,32.025 112.825,33.262 ; 112.825,36.387 Z2.4@112.825,37.487
  Top Layer w1.2: 112.825,33.262 112.825,36.387
SCK_A: DD1.61 R4.1 | length 48
  Top Layer w0.25: v1(44.96,25.15) 45.027,25.15 45.102,25.225 DD1.61@46.025,25.225 ; v1(64.271,29.796) 65.16,30.684 R4.1@69.875,30.684
  Bottom Layer w0.25: v1(44.96,25.15) 46.089,25.15 47.21,24.029 47.21,18.767 51.279,14.697 62.708,14.697 62.854,14.843 62.854,28.202 63.304,28.652 63.304,28.829 v1(64.271,29.796)
SCK_B: DD1.22 R8.1 | length 24.3
  Top Layer w0.25: DD1.22@54.975,26.225 59.937,26.225 60.566,25.596 60.566,19.653 68.932,11.287 R8.1@69.597,11.287
SP_CLKO: DD1.39 R3.1 | length 29.9
  Top Layer w0.25: v1(51.21,39.284) 51.23,39.264 51.23,31.97 DD1.39@51.25,31.95 ; v1(51.609,42.199) 64.695,42.199 67.935,38.959 R3.1@67.935,37.119
  Bottom Layer w0.25: v1(51.21,39.284) 51.21,41.732 51.609,42.132 v1(51.609,42.199)
SYS_CS: DD1.5 XP1.9 | length 29.5
  Top Layer w0.25: DD1.5@48.75,23 48.75,22.1 48.256,21.606 48.256,18.781 62.58,4.458 62.58,1.267 XP1.9@61.455,0.142
SYS_MISO: DD1.3 XP1.5 | length 27.8
  Top Layer w0.25: DD1.3@47.75,23 47.725,22.975 47.725,22.621 47.725,22.348 47.275,21.898 47.275,13.537 57.5,3.312 57.5,1.267 XP1.5@56.375,0.142
SYS_MOSI: DD1.4 XP1.7 | length 28.6
  Top Layer w0.25: DD1.4@48.25,23 48.25,22.236 47.725,21.711 47.725,16.526 60.04,4.211 60.04,1.267 XP1.7@58.915,0.142
SYS_RST: DD1.1 XP1.4 | length 23.7
  Top Layer w0.25: DD1.1@46.75,23 46.75,22.725 46.725,22.7 46.496,22.7 46.35,22.553 46.35,10.167 XP1.4@53.835,2.682
SYS_SCK: DD1.2 XP1.3 | length 27.8
  Top Layer w0.25: DD1.2@47.25,23 47.225,22.975 47.225,22.484 46.8,22.059 46.8,10.354 52.891,4.262 54.489,4.262 54.96,3.791 54.96,1.267 XP1.3@53.835,0.142
pads on no net: ?.MH1 ?.MH2 ?.MH3 ?.MH4 DA3.13 DD1.26 DD1.27 DD1.28 G1.2 G1.5 U1.6 U1.21 U1.22 U1.23 U1.24 U2.6 U2.11 U2.21 U2.22 U2.23 U2.24 U2.29 U2.30 U3.5 U3.9 U3.13 U3.15 U3.16 U3.17 U3.18

## Polygon pours and split planes (outlines as drawn)
GND on Bottom Layer "GND_L02_P003" (solid, pour order 3): 1,-5 cw(c1,1) -5,1 -5,44.812 cw(c1,44.812) 1,50.812 120,50.812 cw(c120,44.812) 126,44.812 126,0.812 126,0.448 cw(c120.324,0.448) 120.324,-5.228 120.553,-5.223
GND on Top Layer "GND_L01_P002" (solid, pour order 2): 1,-5 cw(c1,1) -5,1 -5,44.812 cw(c1,44.812) 1,50.812 120,50.812 cw(c120,44.812) 126,44.812 126,0.812 126,0.448 cw(c120.324,0.448) 120.324,-5.228 120.553,-5.223

## Other copper
Top Layer:
  rectangle net RF_IN: 82.256,23.787 84.923,24.987
  rectangle net NetC31_1: 100.15,41.337 100.95,41.812
  rectangle net PWR_MAIN: 7.6,28.656 10.9,32.339
  rectangle net "+3.3 VD": 102.9,4.287 104.45,6.637
  region net "+3,6V RFPA_VCC": 88.173,46.342 88.173,47.102 87.663,47.102 87.663,46.342
  region net +4V: 88.175,43.952 88.175,43.952 87.175,43.952 87.175,43.952
  region net +4V: 88.165,43.612 88.165,44.312 87.165,44.312 87.165,43.612
  rectangle net +4V: 66.8,42.39 67.5,43.39
  rectangle net +3.3V_133M: 69.57,42.38 70.27,42.89
  region net NetC77_2: 22.4,10.177 22.4,11.597 19.625,11.597 19.625,10.177
  region net +5V_RFIN: 91.785,16.357 91.785,17.057 91.275,17.057 91.275,16.357
  region net +5.8V: 91.77,13.587 91.77,14.287 90.77,14.287 90.77,13.587
  region net RF_IN: 84.923,24.987 cw(c84.926,24.813) 85.101,24.816 85.101,23.968 cw(c84.923,23.968) 84.923,23.79
  region net RF_IN: 82.256,24.993 ccw(c82.256,24.816) 82.078,24.816 82.078,23.968 ccw(c82.256,23.968) 82.256,23.79
  region net NetC52_1: 85.675,24.987 ccw(c85.675,24.737) 85.425,24.737 85.425,23.987 ccw(c85.625,23.987) 85.625,23.787 86.75,23.787 ccw(c86.762,23.975) 86.95,23.962 86.95,24.812 ccw(c86.775,24.812) 86.775,24.987
  pour cut-out: 30.738,46.362 30.738,33.387 34.263,33.387 34.263,46.362
  pour cut-out: 83.013,22.267 83.013,19.012 84.738,19.012 84.738,22.267
  pour cut-out: 82.975,53.437 82.975,47.012 84.738,47.012 84.738,53.437
  pour cut-out: 84.738,-6.788 84.738,0.762 83.013,0.762 83.013,-6.788
  pour cut-out: 83.013,7.437 83.013,2.262 84.738,2.262 84.738,7.437
  pour cut-out: 83.013,18.312 83.013,8.551 84.738,8.551 84.738,18.312
  pour cut-out: 83,45.987 83,33.012 84.738,33.012 84.738,45.987
  pour cut-out: 83.013,31.987 83.013,26.509 84.738,26.509 84.738,31.987
  pour cut-out: 34.275,-6.968 34.275,9.437 30.75,9.437 30.75,-6.968
  pour cut-out: 30.75,18.387 30.75,10.237 34.275,10.237 34.275,18.387
  pour cut-out: 30.75,32.362 30.75,19.387 34.275,19.387 34.275,32.362
  pour cut-out: 30.712,53.812 30.712,47.387 34.238,47.387 34.238,53.812
Bottom Layer:
  region net +5.8V: 4.5,9.837 cw(c4.275,9.837) 4.275,9.612 2.7,9.612 cw(c2.7,9.812) 2.5,9.812 2.5,11.212 cw(c2.7,11.212) 2.7,11.412 4.3,11.412 cw(c4.3,11.212) 4.5,11.212 4.5,10.812
  region net "+1.8 VD": 46.716,25.538 46.716,26.484 53.141,26.484 53.141,25.538 cw(c52.887,25.538) 52.887,25.284 46.97,25.284 cw(c46.97,25.538)
  region net "+1.8 VD": 53.141,26.572 53.141,26.395 46.716,26.395 46.716,26.572 cw(c46.97,26.572) 46.97,26.826 52.887,26.826 cw(c52.887,26.572)
  region net "+1.8 VD": 27.3,13.312 cw(c27.3,13.537) 27.075,13.537 27.075,15.112 cw(c27.275,15.112) 27.275,15.312 28.675,15.312 cw(c28.675,15.112) 28.875,15.112 28.875,13.512 cw(c28.675,13.512) 28.675,13.312 28.275,13.312
  region net "+3.3 VD": 27.5,26.787 cw(c27.5,27.012) 27.275,27.012 27.275,28.587 cw(c27.475,28.587) 27.475,28.787 28.875,28.787 cw(c28.875,28.587) 29.075,28.587 29.075,26.987 cw(c28.875,26.987) 28.875,26.787 28.475,26.787
  pour cut-out: 83.013,22.242 83.013,13.2 84.738,13.2 84.738,22.242
  pour cut-out: 30.738,46.362 30.738,33.387 34.263,33.387 34.263,46.362
  pour cut-out: 84.738,-6.788 84.738,0.762 83.013,0.762 83.013,-6.788
  pour cut-out: 82.975,53.437 82.975,47.012 84.738,47.012 84.738,53.437
  pour cut-out: 83,45.987 83,33.012 84.738,33.012 84.738,45.987
  pour cut-out: 83.013,31.987 83.013,27.398 84.738,27.398 84.738,31.987
  pour cut-out: 83.013,12.057 83.013,7.437 84.738,7.437 84.738,12.057
  pour cut-out: 83.013,7.437 83.013,2.262 84.738,2.262 84.738,7.437
  pour cut-out: 34.275,-6.968 34.275,9.437 30.75,9.437 30.75,-6.968
  pour cut-out: 30.75,32.362 30.75,19.387 34.275,19.387 34.275,32.362
  pour cut-out: 30.75,18.387 30.75,10.237 34.275,10.237 34.275,18.387
  pour cut-out: 30.712,53.812 30.712,47.387 34.238,47.387 34.238,53.812

## Silkscreen, mask and mechanical layers (free items; w line width, h text height)
Top Overlay:
  circle w0.3: c73.925,0.116 r0.1
  circle w0.3: c73.925,2.916 r0.1
  lines w0.25: 72.972,-0.434 ccw(c73.925,0.116) 74.877,-0.434 ; 72.972,3.466 cw(c73.925,2.916) 74.877,3.466 ; 73.405,-0.184 ccw(c73.925,0.116) 74.444,-0.184 ; 73.405,3.216 cw(c73.925,2.916) 74.444,3.216
  text "RX_N_EMPTY" at 40.975,9.21 h1.5
  text "SENSOR_PKT" at 40.975,6.976 h1.5
  text "BH_PKT" at 40.975,4.875 h1.5
  text "GND" at 51.714,4.791 h1.5 r90
  text "RST" at 54.015,4.791 h1.5 r90
  text "GPS_TX" at 56.561,4.791 h1.5 r90
  text "GPS_RX" at 59.108,4.791 h1.5 r90
  text "GPS_NSS" at 61.654,4.791 h1.5 r90
  text "FSK_PKT" at 40.975,2.641 h1.5
  text "TX_ON" at 40.975,0.406 h1.5
  text "A" at 71.153,0.117 h5
  text "P" at 74.482,0.117 h5
  text "CS" at 61.899,-2.74 h1.5 r90
  text "CLK" at 54.258,-3.473 h1.5 r90
  text "GND" at 51.714,-3.493 h1.5 r90
  text "MOSI" at 59.352,-4.146 h1.5 r90
  text "MISO" at 56.805,-4.218 h1.5 r90
Board Outline:
  the board outline again, w0.25
Board Information:
  lines w0.05: -14.273,-5.012 -14.273,13.174 ; -14.273,31.234 -14.273,50.812 ; -5,60.713 46.39,60.713 ; -0.334,46.367 -0.254,46.681 ; 0.06,46.601 -0.254,46.681 ; 1.952,43.032 2.266,42.952 2.346,43.266 ; 8.849,40.418 4.007,40.418 1,44.812 -0.254,46.681 ; 72.857,60.713 126,60.713
  lines w1.2: 120,50.812 cw(c120,44.812) 126,44.812 126,0.812 ; 120.167,50.812 1,50.812 ccw(c1,44.812) -5,44.812 -5,1 ccw(c1,1) 1,-5 120.553,-5.223 ; 120.324,-5.228 ccw(c120.324,0.448) 126,0.448
  text "131 мм" at 52.283,59.632 h5
  text "M2" at 4.124,40.682 h5
  text "56 мм" at -13.269,16.578 h5 r90